# KiCad board Panel.kicad_pcb (continued)
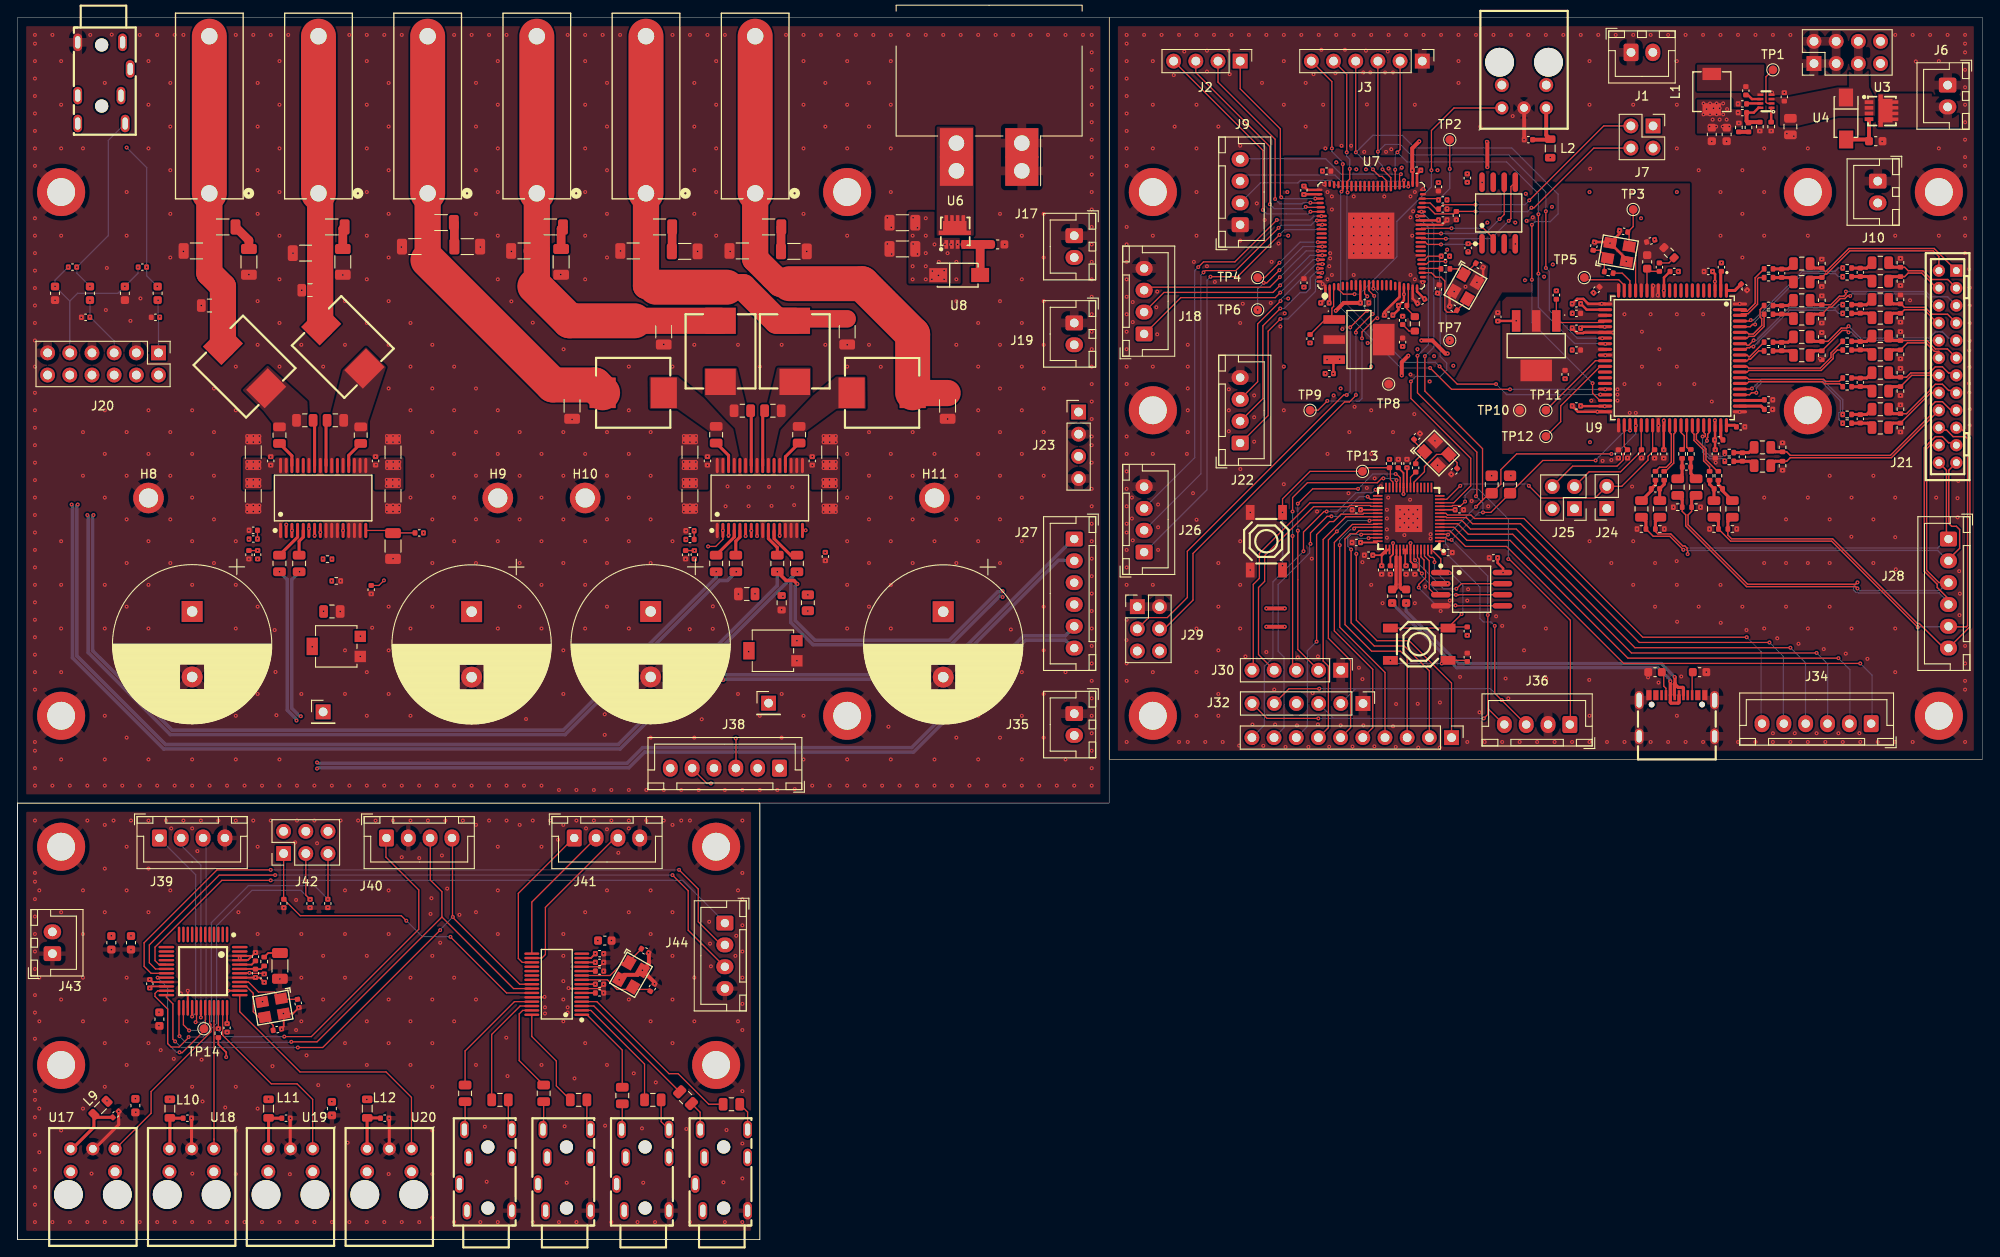
[diagram p0: board, top side]
## Placement (name value [footprint] x y rotation side) (continued)
R92  10k  [C_0402_1005Metric]  92.5 78.25 90 top
R93  51k  [R_0402_1005Metric]  35.5 77.95 0 top
R94  51k  [R_0402_1005Metric]  36.5 75.45 0 top
R95  10k  [C_0402_1005Metric]  40.5 74.45 90 top
R96  27  [C_0603_1608Metric]  157.4 73.7 90 top
R97  27  [C_0603_1608Metric]  159 73.7 270 top
R98  5.6k  [R_0603_1608Metric]  87.5 72.95 270 top
R99  DNP  [R_0805_2012Metric]  90.5 72.95 90 top  (not fitted)
R100  10k  [C_0402_1005Metric]  166 69.7 90 top
R101  1k  [C_0402_1005Metric]  166 66.7 270 top
R102  5.1k  [C_0603_1608Metric]  187.5 65 180 top
R103  5.1k  [C_0603_1608Metric]  192.6 65 0 top
R104  10k  [C_0402_1005Metric]  30.5 38.5 270 top
R105  10k  [C_0402_1005Metric]  33.5 38.5 270 top
R106  10k  [C_0402_1005Metric]  35.53 38.5 270 top
R107  680  [R_0402_1005Metric]  28.25 31.85 270 top
R108  10k  [R_0402_1005Metric]  23 23.65 270 top
REF1  FZT792ATA  [SOT-223-4_L6.5-W3.5-P2.30-LS7.0-BR]  153.6 103.1 0 top
REF2  FZT792ATA  [SOT-223-4_L6.5-W3.5-P2.30-LS7.0-BR]  173.9 102.4 270 top
RV1  10k  [Potentiometer_Bourns_3314G_Vertical]  36.5 67.95 270 top
RV2  10k  [Potentiometer_Bourns_3314G_Vertical]  86.5 67.45 270 top
SW1  TS-1187A-B-A-B  [SW-SMD_4P-L5.1-W5.1-P3.70-LS6.5-TL-2]  143 80 270 top
SW2  TS-1187A-B-A-B  [SW-SMD_4P-L5.1-W5.1-P3.70-LS6.5-TL-2]  160.5 68.2 0 top
TP1  TestPoint  [TestPoint_Pad_D1.0mm]  201 134 0 top
TP2  TestPoint  [TestPoint_Pad_D1.0mm]  164 126 0 top
TP3  TestPoint  [TestPoint_Pad_D1.0mm]  185 118 0 top
TP4  TestPoint  [TestPoint_Pad_D1.0mm]  142 110.2 0 top
TP5  TestPoint  [TestPoint_Pad_D1.0mm]  179.4 110.2 270 top
TP6  TestPoint  [TestPoint_Pad_D1.0mm]  142 106.5 0 top
TP7  TestPoint  [TestPoint_Pad_D1.0mm]  164 103 0 top
TP8  TestPoint  [TestPoint_Pad_D1.0mm]  157 98 0 top
TP9  TestPoint  [TestPoint_Pad_D1.0mm]  148 95 0 top
TP10  TestPoint  [TestPoint_Pad_D1.0mm]  172 95 0 top
TP11  TestPoint  [TestPoint_Pad_D1.0mm]  175 95 0 top
TP12  TestPoint  [TestPoint_Pad_D1.0mm]  175 92 0 top
TP13  TestPoint  [TestPoint_Pad_D1.0mm]  154 88 0 top
TP14  TestPoint  [TestPoint_Pad_D1.0mm]  21.35 24.15 180 top
U1  ZPLR135_T8  [CONN-TH_ZPLR135-T8]  172.5 131 0 top
U2  TPS62933  [SOT-583-8_L2.1-W1.2-P0.50-LS1.6-BR]  200.2 130.4 0 top
U3  NVTFWS014P04M8LTAG  [POWERPAK-1212-8_L3.1-W3.1-P0.65-LS3.3-BL-SIS402DN-T1-GE3]  213.49 129.33 270 top
U4  1SMA5927A  [SMA_L4.3-W2.6-LS5.0-RD]  209.37 128.43 270 top
U5  W25Q128JVS  [SOIC-8_L5.3-W5.3-P1.27-LS8.0-BL]  169.6 117.6 90 top
U6  NVTFWS014P04M8LTAG  [POWERPAK-1212-8_L3.1-W3.1-P0.65-LS3.3-BL-SIS402DN-T1-GE3]  107.32 115.49 0 top
U7  ADAU1467WBCPZ300  [LFCSP-88_L12.0-W12.0-P0.50-BL-EP5.3]  155 115 0 top
U8  1SMA5927A  [SMA_L4.3-W2.6-LS5.0-RD]  107.82 110.49 0 top
U9  ADAU1962AWBSTZ  [LQFP-80_L14.0-W14.0-P0.65-LS16.0-BL]  189.5 101 180 top
U10  TPA3126D2DADR  [HTSSOP-32_L11.0-W6.1-P0.65-LS8.1-BL]  35 84.95 0 top
U11  TPA3126D2DADR  [HTSSOP-32_L11.0-W6.1-P0.65-LS8.1-BL]  85 84.95 0 top
U12  RP2040  [LQFN-56_L7.0-W7.0-P0.4-EP]  159.3 82.6 180 top
U13  W25Q128JVS  [SOIC-8_L5.3-W5.3-P1.27-LS8.0-BL]  166.5 74.5 0 top
U14  TYPE-C 16PFS 2JCB1.2-H6.5 IPX8  [USB-C-SMD_TYPE-C16PIN]  190 60 0 top
U15  PCM9211PTR  [TQFP-48_L7.0-W7.0-P0.50-LS9.0-TL]  21.25 30.75 270 top
U16  PCM1865DBTR  [TSSOP-30_L7.8-W4.4-P0.50-LS6.4-BL]  61.75 29.25 90 top
U17  ZPLR135_T8  [CONN-TH_ZPLR135-T8]  8.63 9.03 180 top
U18  ZPLR135_T8  [CONN-TH_ZPLR135-T8]  19.95 9.03 180 top
U19  ZPLR135_T8  [CONN-TH_ZPLR135-T8]  31.26 9.03 180 top
U20  ZPLR135_T8  [CONN-TH_ZPLR135-T8]  42.57 9.03 180 top
Y1  24.576Mhz  [OSC-SMD_4P-L3.2-W2.5-BL]  183.3 113.1 350 top
Y2  24.576Mhz  [OSC-SMD_4P-L3.2-W2.5-BL]  165.8 109.15 240 top
Y3  12Mhz  [OSC-SMD_4P-L3.2-W2.5-BL]  162.5 90.1 315 top
Y4  24.576Mhz  [OSC-SMD_4P-L3.2-W2.5-BL]  70.25 30.32 240 top
Y5  24.576Mhz  [OSC-SMD_4P-L3.2-W2.5-BL]  29.25 26.55 190 top

## Library data of the parts
C1 C2 C8 C114-C117 C187-C190 = -: LCSC Part #: C307331; ki_fp_filters: C_*
C3 = -: LCSC Part #: C106862; ki_fp_filters: C_*
C4 = -: LCSC Part #: C1567; ki_fp_filters: C_*
C5 C33 C34 C42 C43 C53 C54 C67 C68 C73 C74 C79-C81 C85 C90 C98 C105 C120 C123 C124 C131-C134 = -: LCSC Part #: C440198; ki_fp_filters: C_*
C6 C7 C158-C160 C174 C185 C186 = -: LCSC Part #: C59461; ki_fp_filters: C_*
C9-C14 C17 C38 C39 C44 C46 C47 C55-C58 C64-C66 C70 C75 C78 C82 C83 C86 C89 C91 C110-C112 = -: Description: Unpolarized capacitor; LCSC Part #: C15525; ki_fp_filters: C_*
C15 C21 C106-C109 C127-C130 = -: LCSC Part #: C89632; ki_fp_filters: C_*
C16 C18 C35 C61 C103 C122 C161 C171 C173 C176 = -: LCSC Part #: C526980; ki_fp_filters: C_*
C19 C22-C25 C28 C138 = -: LCSC Part #: C5137603; ki_fp_filters: C_*
C20 C26 C27 C29-C31 = -: LCSC Part #: C9194; ki_fp_filters: C_*
C32 = -: Description: Unpolarized capacitor; LCSC: C519471; ki_fp_filters: C_*
C36 C69 = -: Description: Unpolarized capacitor; LCSC: C610180; ki_fp_filters: C_*
C37 C45 C97 C104 = -: Description: Unpolarized capacitor, small symbol; LCSC: C188346; ki_fp_filters: C_*
C40 C41 C62 C63 C76 C77 C84 C94 C113 C121 C125 C126 = -: Description: Unpolarized capacitor; LCSC: C525230; ki_fp_filters: C_*
C48 C59 C142-C147 C152 C154 = -: LCSC Part #: C28323; ki_fp_filters: C_*
C49-C52 = -: Description: Unpolarized capacitor; LCSC: C2760543; ki_fp_filters: C_*
C60 = -: Description: Unpolarized capacitor; LCSC: C412459; ki_fp_filters: C_*
C71 C72 C87 C88 = -: LCSC Part #: C2835168; ki_fp_filters: C_*
C92 C93 C95 C96 C99-C102 = -: LCSC Part #: C5378; ki_fp_filters: C_*
C118 C119 C135-C137 C139-C141 C148-C151 C162-C164 C166 C168-C170 C172 C175 = -: LCSC Part #: C15525; ki_fp_filters: C_*
C153 C155-C157 = -: LCSC Part #: C443034; ki_fp_filters: CP_*
C165 = -: LCSC Part #: C77084; ki_fp_filters: C_*
C167 = -: LCSC Part #: C1518204; ki_fp_filters: C_*
C177-C184 = -: LCSC Part #: C15850; ki_fp_filters: C_*
H1-H19 = -: Description: Mounting Hole with connection; ki_fp_filters: MountingHole*Pad*
J1 J6 J10 J17 J19 J35 J43 = -: LCSC: C158012; JLCPCB Position Offset: 0,-0.5; LCSC Part #: C158012; ki_fp_filters: Connector*:*_1x??_*
J2 = -: Description: Generic connector, single row, 01x04, script generated; ki_fp_filters: Connector*:*_1x??_*
J3 J32 = -: Description: Generic connector, single row, 01x06, script generated; ki_fp_filters: Connector*:*_1x??_*
J4 = -: LCSC Part #: -; ki_fp_filters: Connector*:*_2x??_*
J5 J46 J48 = -: Datasheet: https://datasheet.lcsc.com/lcsc/2105241717_G-Switch-ST-0322D00-071-1A2H_C2829970.pdf; LCSC Part #: C2829970; JLCPCB Position Offset: 1.5,-0.1; ki_fp_filters: CONN7_0-071-1A2H_GSW
J7 J25 = -: Description: Generic connector, double row, 02x02, counter clockwise pin numbering scheme (similar to DIP package numbering), script generated (kicad-library-utils/schlib/autogen/connector/); ki_fp_filters: Connector*:*_2x??_*
J8 J11-J16 J31 J33 J37 = -: LCSC Part #: -; ki_fp_filters: Connector*:*_1x??_*
J9 = -: Description: Generic connector, single row, 01x04, script generated; LCSC: C157999; JLCPCB Position Offset: 0,-0.5; ki_fp_filters: Connector*:*_1x??_*
J18 J22 J26 J36 J39-J41 J44 = -: Datasheet: https://atta.szlcsc.com/upload/public/pdf/source/20180319/545684143CA87773821238F54F948951.pdf; LCSC: C157999; JLCPCB Position Offset: 0,-0.5; ki_fp_filters: Connector*:*_1x??_*
J20 = -: Description: Generic connector, double row, 02x06, odd/even pin numbering scheme (row 1 odd numbers, row 2 even numbers), script generated (kicad-library-utils/schlib/autogen/connector/); ki_fp_filters: Connector*:*_2x??_*
J21 = -: Description: Generic connector, single row, 01x24, script generated; LCSC: C378937; ki_fp_filters: Connector*:*_1x??_*
J23 = -: Description: Generic connector, single row, 01x04, script generated (kicad-library-utils/schlib/autogen/connector/); ki_fp_filters: Connector*:*_1x??_*
J24 = -: Description: Generic connector, single row, 01x02, script generated; ki_fp_filters: Connector*:*_1x??_*
J27 J28 J34 J38 = -: Description: Generic connector, single row, 01x06, script generated; LCSC: C157986; JLCPCB Position Offset: 0,-0.5; ki_fp_filters: Connector*:*_1x??_*
J29 J42 = -: Description: Generic connector, double row, 02x03, odd/even pin numbering scheme (row 1 odd numbers, row 2 even numbers), script generated (kicad-library-utils/schlib/autogen/connector/); ki_fp_filters: Connector*:*_2x??_*
J30 = -: Description: Generic connector, single row, 01x05, script generated; ki_fp_filters: Connector*:*_1x??_*
J45 J47 = -: LCSC Part #: C2829970; JLCPCB Position Offset: 1.5,-0.1; ki_fp_filters: CONN7_0-071-1A2H_GSW
L1 = -: LCSC Part #: C167206; ki_fp_filters: Choke_* *Coil* Inductor_* L_*
L2 L9-L12 = -: Description: Inductor; LCSC: C383408; ki_fp_filters: Choke_* *Coil* Inductor_* L_*
L3-L8 = -: LCSC Part #: C2962885; ki_fp_filters: Choke_* *Coil* Inductor_* L_*
R1 R6-R8 R16 R18 R21 R22 R38 R39 R62-R64 R68 R85-R87 R89 R91 R92 R95 R100 R104-R106 R108 = -: LCSC Part #: C25744; ki_fp_filters: R_*
R2 = -: LCSC Part #: C413097; ki_fp_filters: R_*
R3 = -: LCSC Part #: C2961363; ki_fp_filters: R_*
R4 = -: LCSC Part #: C445599; ki_fp_filters: R_*
R5 R15 = -: Description: Resistor; LCSC: C25803; ki_fp_filters: R_*
R9-R14 = -: LCSC Part #: C2930397; ki_fp_filters: R_*
R17 = -: Description: Resistor; LCSC: C3013543; ki_fp_filters: R_*
R19 R20 R29 R30 R32 R33 R40 R41 R43 R44 R50-R52 R55 R56 R59 R60 R69 R77-R82 = -: Description: Resistor; LCSC: C854344; ki_fp_filters: R_*
R23 R25 R27 R28 R34-R37 R46-R49 R53 R54 R57 R58 R61 R65-R67 R71-R74 = -: Description: Resistor; LCSC: C2079916; ki_fp_filters: R_*
R24 R26 = -: Description: Resistor; LCSC: C2902635; ki_fp_filters: R_*
R31 R45 R70 R101 = -: LCSC Part #: C11702; ki_fp_filters: R_*
R42 = -: Description: Resistor; LCSC Part #: C4275; LCSC: C2692818; ki_fp_filters: R_*
R75 R76 = -: Description: Resistor; LCSC: C17520; ki_fp_filters: R_*
R83 R84 R88 R90 = -: LCSC Part #: C431791; ki_fp_filters: R_*
R93 R94 = -: LCSC Part #: C25794; ki_fp_filters: R_*
R96 R97 = -: LCSC Part #: C2828673; ki_fp_filters: R_*
R98 = -: LCSC Part #: C23189; ki_fp_filters: R_*
R99 = -: LCSC Part #: -; ki_fp_filters: R_*
R102 R103 = -: LCSC Part #: C2989458; ki_fp_filters: R_*
R107 = -: LCSC Part #: C2684537; ki_fp_filters: R_*
REF1 REF2 = -: Datasheet: https://item.szlcsc.com/84517.html; LCSC: C115948
RV1 RV2 = -: LCSC Part #: C780220; JLCPCB Rotation Offset: 180; ki_fp_filters: Potentiometer*
SW1 SW2 = -: Datasheet: https://lcsc.com/product-detail/Tactile-Switches_XKB-Enterprise-TS-1187-B-A-A_C318884.html; LCSC Part #: C318884
TP1-TP14 = -: Description: test point; ki_fp_filters: Pin* Test*
U1 U17-U20 = -: Datasheet: https://item.szlcsc.com/265251.html; LCSC: C277778; JLCPCB Position Offset: 0,-3
U2 = -: Datasheet: https://www.ti.com/lit/ds/symlink/tps62933.pdf; LCSC Part #: C6290372; ki_fp_filters: SOT?583*
U3 U6 = -: Datasheet: https://atta.szlcsc.com/upload/public/pdf/source/20130809/1457706634054.pdf; LCSC: C900554
U4 U8 = -: Datasheet: https://item.szlcsc.com/543768.html; LCSC: C19077489
U5 U13 = -: Datasheet: http://www.winbond.com/resource-files/w25q128jv_dtr%20revc%2003272018%20plus.pdf; LCSC Part #: C97521; ki_fp_filters: SOIC*5.23x5.23mm*P1.27mm*
U7 = -: Datasheet: https://cn.bing.com/search?q=datasheet： ADAU1463WBCPZ300; LCSC: C654415
U9 = -: Datasheet: https://item.szlcsc.com/203238.html; LCSC: C654426; JLCPCB Rotation Offset: 90
U10 U11 = -: LCSC Part #: C544472; JLCPCB Rotation Offset: 90; ki_fp_filters: DAD0032A_N_TEX DAD0032A_M DAD0032A_L
U12 = -: Datasheet: https://datasheets.raspberrypi.com/rp2040/rp2040-datasheet.pdf; LCSC Part #: C2040; ki_fp_filters: QFN*1EP*7x7mm?P0.4mm*
U14 = -: Datasheet: https://lcsc.com/product-detail/USB-Connectors_SHOU-HAN-TYPE-C16PIN_C393939.html; LCSC Part: C393939; LCSC Part #: C393939
U15 = -: LCSC Part #: C181660; JLCPCB Rotation Offset: 90; ki_fp_filters: PT48 PT48-M PT48-L
U16 = -: LCSC Part #: C181312; JLCPCB Rotation Offset: 90; ki_fp_filters: DBT0030A_N DBT0030A_M DBT0030A_L
Y1 Y2 Y4 Y5 = -: LCSC Part #: C2901683; ki_fp_filters: Crystal*
Y3 = -: LCSC Part #: C9002; ki_fp_filters: Crystal*

## Footprints (pads in the part's own frame, mm; a bottom-side part is the same pattern mirrored in y, then rotated)
AUDIO-TH_ST-0322D00-071-1A2H
  round 1.5 hole 1.5: (-4.35,-0.26) (2.65,-0.26)
  oval 2x1 hole 1.4x0.6: 1(-4.65,-3) 2(-4.65,2.13) 3(4.65,-3) 4(4.65,2.43) 5(1.45,1.95) 6(1.45,-3) 7(-1.6,3)
C_0402_1005Metric
  rrect 0.56x0.62 smd: 1(-0.48,0) 2(0.48,0)
C_0603_1608Metric
  rrect 0.9x0.95 smd: 1(-0.775,0) 2(0.775,0)
C_0805_2012Metric
  rrect 1x1.45 smd: 1(-0.95,0) 2(0.95,0)
C_1206_3216Metric
  rrect 1.15x1.8 smd: 1(-1.475,0) 2(1.475,0)
CONN-TH_24P-P2.00_B24B-PHDSS
  rect 1.4x1.4 hole 0.8: 1(11,-1)
  round 1.4 hole 0.8: 2(11,1) 3(9,-1) 4(9,1) 5(7,-1) 6(7,1) 7(5,-1) 8(5,1) 9(3,-1) 10(3,1) 11(1,-1) 12(1,1) 13(-1,-1) 14(-1,1) 15(-3,-1) 16(-3,1) 17(-5,-1) 18(-5,1) 19(-7,-1) 20(-7,1) 21(-9,-1) 22(-9,1) 23(-11,-1) 24(-11,1)
CONN-TH_ZPLR135-T8
  round 3.3 hole 3.3 unplated: (-2.8,3.87) (2.8,3.87)
  round 1.5 hole 0.9: 1(-2.54,-1.37) 2(0,-1.37) 3(2.54,-1.37)
  round 1.6 hole 1: 4(2.54,1.26) 5(-2.54,1.26)
CONN_973582100_HRS
  round 2.388 hole 1.88: 1(0,0) 1(0,-18)
CP_Radial_D18.0mm_P7.50mm
  rect 2.4x2.4 hole 1.2: 1(0,0)
  round 2.4 hole 1.2: 2(7.5,0)
HTSSOP-32_L11.0-W6.1-P0.65-LS8.1-BL
  oval 0.34x1.75 smd: 1(-4.88,-3.72) 2(-4.23,-3.72) 3(-3.58,-3.72) 4(-2.93,-3.72) 5(-2.28,-3.72) 6(-1.63,-3.72) 7(-0.98,-3.72) 8(-0.32,-3.72) 9(0.33,-3.72) 10(0.98,-3.72) 11(1.63,-3.72) 12(2.28,-3.72) 13(2.93,-3.72) 14(3.58,-3.72) 15(4.23,-3.72) 16(4.88,-3.72) 17(4.88,3.72) 18(4.23,3.72) 19(3.58,3.72) 20(2.93,3.72) 21(2.28,3.72) 22(1.63,3.72) 23(0.98,3.72) 24(0.33,3.72) 25(-0.32,3.72) 26(-0.98,3.72) 27(-1.63,3.72) 28(-2.28,3.72) 29(-2.93,3.72) 30(-3.58,3.72) 31(-4.23,3.72) 32(-4.88,3.72)
IND-SMD_L4.4-W4.2
  rect 1.4x2.12 smd: 1(2.028,0) 2(-2.028,0)
IND-SMD_L8.5-W8.0_PCC-M0854M
  rect 3x3.5 smd: 1(-3.5,0) 2(3.5,0)
JST_XH_B2B-XH-A_1x02_P2.50mm_Vertical
  rrect 1.7x2 hole 1: 1(1.25,0)
  oval 1.7x2 hole 1: 2(-1.25,0)
JST_XH_B4B-XH-A_1x04_P2.50mm_Vertical
  rrect 1.7x1.95 hole 0.95: 1(3.75,0)
  oval 1.7x1.95 hole 0.95: 2(1.25,0) 3(-1.25,0) 4(-3.75,0)
JST_XH_B6B-XH-A_1x06_P2.50mm_Vertical
  rrect 1.7x1.95 hole 0.95: 1(6.25,0)
  oval 1.7x1.95 hole 0.95: 2(3.75,0) 3(1.25,0) 4(-1.25,0) 5(-3.75,0) 6(-6.25,0)
L_0805_2012Metric
  rrect 0.875x1.2 smd: 1(-1.062,0) 2(1.062,0)
LFCSP-88_L12.0-W12.0-P0.50-BL-EP5.3
  oval 0.28x0.7 smd: 1(-5.25,-5.923) 2(-4.75,-5.923) 21(4.75,-5.923) 22(5.25,-5.923) 45(5.25,5.923) 46(4.75,5.923) 65(-4.75,5.923) 66(-5.25,5.923)
  oval 0.28x0.85 smd: 3(-4.25,-5.848) 4(-3.75,-5.848) 19(3.75,-5.848) 20(4.25,-5.848) 47(4.25,5.848) 48(3.75,5.848) 63(-3.75,5.848) 64(-4.25,5.848)
  oval 0.28x1 smd: 5(-3.25,-5.773) 6(-2.75,-5.773) 17(2.75,-5.773) 18(3.25,-5.773) 49(3.25,5.773) 50(2.75,5.773) 61(-2.75,5.773) 62(-3.25,5.773)
  oval 0.28x1.2 smd: 7(-2.25,-5.673) 8(-1.75,-5.673) 9(-1.25,-5.673) 10(-0.75,-5.673) 11(-0.25,-5.673) 12(0.25,-5.673) 13(0.75,-5.673) 14(1.25,-5.673) 15(1.75,-5.673) 16(2.25,-5.673) 51(2.25,5.673) 52(1.75,5.673) 53(1.25,5.673) 54(0.75,5.673) 55(0.25,5.673) 56(-0.25,5.673) 57(-0.75,5.673) 58(-1.25,5.673) 59(-1.75,5.673) 60(-2.25,5.673)
  oval 0.7x0.28 smd: 23(5.923,-5.25) 24(5.923,-4.75) 43(5.923,4.75) 44(5.923,5.25) 67(-5.923,5.25) 68(-5.923,4.75) 87(-5.923,-4.75) 88(-5.923,-5.25)
  oval 0.85x0.28 smd: 25(5.848,-4.25) 26(5.848,-3.75) 41(5.848,3.75) 42(5.848,4.25) 69(-5.848,4.25) 70(-5.848,3.75) 85(-5.848,-3.75) 86(-5.848,-4.25)
  oval 1x0.28 smd: 27(5.773,-3.25) 28(5.773,-2.75) 39(5.773,2.75) 40(5.773,3.25) 71(-5.773,3.25) 72(-5.773,2.75) 83(-5.773,-2.75) 84(-5.773,-3.25)
  oval 1.2x0.28 smd: 29(5.673,-2.25) 30(5.673,-1.75) 31(5.673,-1.25) 32(5.673,-0.75) 33(5.673,-0.25) 34(5.673,0.25) 35(5.673,0.75) 36(5.673,1.25) 37(5.673,1.75) 38(5.673,2.25) 73(-5.673,2.25) 74(-5.673,1.75) 75(-5.673,1.25) 76(-5.673,0.75) 77(-5.673,0.25) 78(-5.673,-0.25) 79(-5.673,-0.75) 80(-5.673,-1.25) 81(-5.673,-1.75) 82(-5.673,-2.25)
  rect 5.3x5.3 smd: 89(0,0)
LQFN-56_L7.0-W7.0-P0.4-EP
  rect 1.1x0.2 smd: 1(-3.55,2.6) 2(-3.55,2.2) 3(-3.55,1.8) 4(-3.55,1.4) 5(-3.55,1) 6(-3.55,0.6) 7(-3.55,0.2) 8(-3.55,-0.2) 9(-3.55,-0.6) 10(-3.55,-1) 11(-3.55,-1.4) 12(-3.55,-1.8) 13(-3.55,-2.2) 14(-3.55,-2.6) 29(3.55,-2.6) 30(3.55,-2.2) 31(3.55,-1.8) 32(3.55,-1.4) 33(3.55,-1) 34(3.55,-0.6) 35(3.55,-0.2) 36(3.55,0.2) 37(3.55,0.6) 38(3.55,1) 39(3.55,1.4) 40(3.55,1.8) 41(3.55,2.2) 42(3.55,2.6)
  rect 0.2x1.1 smd: 15(-2.6,-3.55) 16(-2.2,-3.55) 17(-1.8,-3.55) 18(-1.4,-3.55) 19(-1,-3.55) 20(-0.6,-3.55) 21(-0.2,-3.55) 22(0.2,-3.55) 23(0.6,-3.55) 24(1,-3.55) 25(1.4,-3.55) 26(1.8,-3.55) 27(2.2,-3.55) 28(2.6,-3.55) 43(2.6,3.55) 44(2.2,3.55) 45(1.8,3.55) 46(1.4,3.55) 47(1,3.55) 48(0.6,3.55) 49(0.2,3.55) 50(-0.2,3.55) 51(-0.6,3.55) 52(-1,3.55) 53(-1.4,3.55) 54(-1.8,3.55) 55(-2.2,3.55) 56(-2.6,3.55)
  rect 3.1x3.1 smd: 57(0,0)
LQFP-80_L14.0-W14.0-P0.65-LS16.0-BL
  oval 0.364x1.642 smd: 1(-6.175,-7.721) 2(-5.525,-7.721) 3(-4.875,-7.721) 4(-4.225,-7.721) 5(-3.575,-7.721) 6(-2.925,-7.721) 7(-2.275,-7.721) 8(-1.625,-7.721) 9(-0.975,-7.721) 10(-0.325,-7.721) 11(0.325,-7.721) 12(0.975,-7.721) 13(1.625,-7.721) 14(2.275,-7.721) 15(2.925,-7.721) 16(3.575,-7.721) 17(4.225,-7.721) 18(4.875,-7.721) 19(5.525,-7.721) 20(6.175,-7.721) 41(6.175,7.721) 42(5.525,7.721) 43(4.875,7.721) 44(4.225,7.721) 45(3.575,7.721) 46(2.925,7.721) 47(2.275,7.721) 48(1.625,7.721) 49(0.975,7.721) 50(0.325,7.721) 51(-0.325,7.721) 52(-0.975,7.721) 53(-1.625,7.721) 54(-2.275,7.721) 55(-2.925,7.721) 56(-3.575,7.721) 57(-4.225,7.721) 58(-4.875,7.721) 59(-5.525,7.721) 60(-6.175,7.721)
  oval 1.642x0.364 smd: 21(7.721,-6.175) 22(7.721,-5.525) 23(7.721,-4.875) 24(7.721,-4.225) 25(7.721,-3.575) 26(7.721,-2.925) 27(7.721,-2.275) 28(7.721,-1.625) 29(7.721,-0.975) 30(7.721,-0.325) 31(7.721,0.325) 32(7.721,0.975) 33(7.721,1.625) 34(7.721,2.275) 35(7.721,2.925) 36(7.721,3.575) 37(7.721,4.225) 38(7.721,4.875) 39(7.721,5.525) 40(7.721,6.175) 61(-7.721,6.175) 62(-7.721,5.525) 63(-7.721,4.875) 64(-7.721,4.225) 65(-7.721,3.575) 66(-7.721,2.925) 67(-7.721,2.275) 68(-7.721,1.625) 69(-7.721,0.975) 70(-7.721,0.325) 71(-7.721,-0.325) 72(-7.721,-0.975) 73(-7.721,-1.625) 74(-7.721,-2.275) 75(-7.721,-2.925) 76(-7.721,-3.575) 77(-7.721,-4.225) 78(-7.721,-4.875) 79(-7.721,-5.525) 80(-7.721,-6.175)
Molex_Sabre_43160-1102_1x02_P7.49mm_Horizontal
  rect 3.78x3.43 hole 1.78: 1(0,3.18) 1(0,0) 2(7.49,3.18) 2(7.49,0)
MountingHole_2.2mm_M2_ISO7380_Pad
  round 3.5 hole 2.2: 1(0,0)
MountingHole_3.2mm_M3_ISO14580_Pad
  round 5.5 hole 3.2: 1(0,0)
OSC-SMD_4P-L3.2-W2.5-BL
  rect 1.4x1.2 smd: 1(-1.1,-0.88) 2(1.1,-0.88) 3(1.1,0.88) 4(-1.1,0.88)
PinHeader_1x01_P2.54mm_Vertical
  rect 1.7x1.7 hole 1: 1(0,0)
PinHeader_1x04_P2.54mm_Vertical
  rect 1.7x1.7 hole 1: 1(0,0)
  oval 1.7x1.7 hole 1: 2(0,-2.54) 3(0,-5.08) 4(0,-7.62)
PinHeader_1x05_P2.54mm_Vertical
  rect 1.7x1.7 hole 1: 1(0,0)
  oval 1.7x1.7 hole 1: 2(0,-2.54) 3(0,-5.08) 4(0,-7.62) 5(0,-10.16)
PinHeader_1x06_P2.54mm_Vertical
  rect 1.7x1.7 hole 1: 1(0,0)
  oval 1.7x1.7 hole 1: 2(0,-2.54) 3(0,-5.08) 4(0,-7.62) 5(0,-10.16) 6(0,-12.7)
PinHeader_1x10_P2.54mm_Vertical
  rect 1.7x1.7 hole 1: 1(0,0)
  oval 1.7x1.7 hole 1: 2(0,-2.54) 3(0,-5.08) 4(0,-7.62) 5(0,-10.16) 6(0,-12.7) 7(0,-15.24) 8(0,-17.78) 9(0,-20.32) 10(0,-22.86)
PinHeader_2x02_P2.54mm_Vertical
  rect 1.7x1.7 hole 1: 1(0,0)
  oval 1.7x1.7 hole 1: 2(2.54,0) 3(0,-2.54) 4(2.54,-2.54)
PinHeader_2x03_P2.54mm_Vertical
  rect 1.7x1.7 hole 1: 1(0,0)
  oval 1.7x1.7 hole 1: 2(2.54,0) 3(0,-2.54) 4(2.54,-2.54) 5(0,-5.08) 6(2.54,-5.08)
PinHeader_2x04_P2.54mm_Vertical
  rect 1.7x1.7 hole 1: 1(0,0)
  oval 1.7x1.7 hole 1: 2(2.54,0) 3(0,-2.54) 4(2.54,-2.54) 5(0,-5.08) 6(2.54,-5.08) 7(0,-7.62) 8(2.54,-7.62)
PinHeader_2x06_P2.54mm_Vertical
  rect 1.7x1.7 hole 1: 1(0,0)
  oval 1.7x1.7 hole 1: 2(2.54,0) 3(0,-2.54) 4(2.54,-2.54) 5(0,-5.08) 6(2.54,-5.08) 7(0,-7.62) 8(2.54,-7.62) 9(0,-10.16) 10(2.54,-10.16) 11(0,-12.7) 12(2.54,-12.7)
PinSocket_1x02_P2.54mm_Vertical
  rect 1.7x1.7 hole 1: 1(0,0)
  oval 1.7x1.7 hole 1: 2(0,-2.54)
Potentiometer_Bourns_3314G_Vertical
  rect 1.3x1.3 smd: 1(1.15,2.75) 3(-1.15,2.75)
  rect 2x1.3 smd: 2(0,-2.75)
POWERPAK-1212-8_L3.1-W3.1-P0.65-LS3.3-BL-SIS402DN-T1-GE3
  rect 0.43x0.991 smd: 1(-0.975,-1.486) 2(-0.325,-1.486) 3(0.325,-1.486) 4(0.975,-1.486)
  rect 0.406x0.762 smd: 5(0.975,1.486) 6(0.325,1.486) 7(-0.325,1.486) 8(-0.975,1.486)
  rect 0.7x0.5 smd: 8(-1.5,-0.15) 8(1.5,-0.15)
  rect 2.7x1.6 smd: 8(0,0.4)
R_0402_1005Metric
  rrect 0.54x0.64 smd: 1(-0.51,0) 2(0.51,0)
R_0603_1608Metric
  rrect 0.8x0.95 smd: 1(-0.825,0) 2(0.825,0)
R_0805_2012Metric
  rrect 1.025x1.4 smd: 1(-0.912,0) 2(0.912,0)
R_0805_2012Metric_Pad1.20x1.40mm_HandSolder
  rrect 1.2x1.4 smd: 1(-1,0) 2(1,0)
R_1206_3216Metric
  rrect 1.125x1.75 smd: 1(-1.462,0) 2(1.462,0)
SMA_L4.3-W2.6-LS5.0-RD
  rect 2.046x1.62 smd: 1(-2.404,-0.009) 2(2.404,0.009)
SOIC-8_L5.3-W5.3-P1.27-LS8.0-BL
  oval 2.25x0.63 smd: 1(-3.53,1.91) 2(-3.53,0.63) 3(-3.53,-0.63) 4(-3.53,-1.9) 5(3.53,-1.9) 6(3.53,-0.63) 7(3.53,0.63) 8(3.53,1.91)
SOT-223-4_L6.5-W3.5-P2.30-LS7.0-BR
  rect 2.47x0.98 smd: 1(-2.835,2.3) 2(-2.835,0) 3(-2.835,-2.3)
  rect 2.47x3.6 smd: 4(2.835,0)
SOT-583-8_L2.1-W1.2-P0.50-LS1.6-BR
  rect 0.68x0.28 smd: 1(0.64,-0.75) 2(0.64,-0.25) 3(0.64,0.25) 4(0.64,0.75) 5(-0.64,0.75) 6(-0.64,0.25) 7(-0.64,-0.25) 8(-0.64,-0.75)
SW-SMD_4P-L5.1-W5.1-P3.70-LS6.5-TL-2
  rect 1.7x1 smd: 1(-3.3,1.85) 2(3.3,1.85) 3(-3.3,-1.85) 4(3.3,-1.85)
TestPoint_Pad_D1.0mm
  round 1 smd: 1(0,0)
TQFP-48_L7.0-W7.0-P0.50-LS9.0-TL
  oval 1.8x0.28 smd: 1(-4.2,2.75) 2(-4.2,2.25) 3(-4.2,1.75) 4(-4.2,1.25) 5(-4.2,0.75) 6(-4.2,0.25) 7(-4.2,-0.25) 8(-4.2,-0.75) 9(-4.2,-1.25) 10(-4.2,-1.75) 11(-4.2,-2.25) 12(-4.2,-2.75) 25(4.2,-2.75) 26(4.2,-2.25) 27(4.2,-1.75) 28(4.2,-1.25) 29(4.2,-0.75) 30(4.2,-0.25) 31(4.2,0.25) 32(4.2,0.75) 33(4.2,1.25) 34(4.2,1.75) 35(4.2,2.25) 36(4.2,2.75)
  oval 0.28x1.8 smd: 13(-2.75,-4.2) 14(-2.25,-4.2) 15(-1.75,-4.2) 16(-1.25,-4.2) 17(-0.75,-4.2) 18(-0.25,-4.2) 19(0.25,-4.2) 20(0.75,-4.2) 21(1.25,-4.2) 22(1.75,-4.2) 23(2.25,-4.2) 24(2.75,-4.2) 37(2.75,4.2) 38(2.25,4.2) 39(1.75,4.2) 40(1.25,4.2) 41(0.75,4.2) 42(0.25,4.2) 43(-0.25,4.2) 44(-0.75,4.2) 45(-1.25,4.2) 46(-1.75,4.2) 47(-2.25,4.2) 48(-2.75,4.2)
TSSOP-30_L7.8-W4.4-P0.50-LS6.4-BL
  oval 0.28x1.72 smd: 1(-3.5,-2.86) 2(-3,-2.86) 3(-2.5,-2.86) 4(-2,-2.86) 5(-1.5,-2.86) 6(-1,-2.86) 7(-0.5,-2.86) 8(0,-2.86) 9(0.5,-2.86) 10(1,-2.86) 11(1.5,-2.86) 12(2,-2.86) 13(2.5,-2.86) 14(3,-2.86) 15(3.5,-2.86) 16(3.5,2.86) 17(3,2.86) 18(2.5,2.86) 19(2,2.86) 20(1.5,2.86) 21(1,2.86) 22(0.5,2.86) 23(0,2.86) 24(-0.5,2.86) 25(-1,2.86) 26(-1.5,2.86) 27(-2,2.86) 28(-2.5,2.86) 29(-3,2.86) 30(-3.5,2.86)
USB-C-SMD_TYPE-C16PIN
  round 0.65 hole 0.65: (-2.89,1.29) (2.89,1.29)
  oval 1x2.1 hole 0.6x1.7: 1(-4.32,1.79) 2(4.32,1.79)
  oval 1x1.8 hole 0.6x1.4: 3(-4.32,-2.36) 4(4.32,-2.36)
  rect 0.6x1.15 smd: A1B12(-3.2,2.36) A4B9(-2.4,2.36) B1A12(3.2,2.36) B4A9(2.4,2.36)
  rect 0.3x1.15 smd: A5(-1.25,2.36) A6(-0.25,2.36) A7(0.25,2.36) A8(-1.75,2.36) B5(1.75,2.36) B6(0.75,2.36) B7(-0.75,2.36) B8(1.25,2.36)

## Nets
+1V2: C10.2 C12.2 C44.2 C46.2 C75.2 REF1.2 REF1.4 TP8.1 U7.24 U7.43 U7.65 U7.87
+2V5: C17.2 C32.1 C47.2 C64.2 C78.2 C83.2 C110.2 R17.1 REF2.2 REF2.4 TP10.1 U9.16 U9.20 U9.23 U9.29 U9.41
+3V3: C4.1 C6.1 C7.1 C9.2 C11.2 C13.2 C14.2 C37.2 C38.2 C39.2 C55.2 C56.2 C57.2 C58.2 C60.1 C65.2 C66.2 C69.2 C70.2 C82.2 C89.2 C104.2 C111.2 C112.2 C119.2 C135.2 C136.2 C137.2 C139.2 C140.2 C141.2 C148.2 C150.2 C158.1 C159.1 C160.1 C162.2 C164.2 C168.2 C169.2 C170.2 C174.1 C175.2 C185.1 C186.1 J1.2 J4.7 J4.8 J7.1 J7.2 J10.2 J24.1 J25.1 J25.2 J29.5 J29.6 J42.2 J42.4 J42.6 J43.2 L1.2 L2.2 L9.2 L10.2 L11.2 L12.2 R3.1 R6.1 R16.1 R18.1 R31.2 R45.1 R68.2 R75.1 R76.1 R100.1 R108.2 REF1.3 REF2.3 U5.8 U7.2 U7.9 U7.19 U7.22 U7.37 U7.46 U7.68 U9.3 U9.12 U9.22 U9.25 U9.39 U9.49 U9.58 U12.1 U12.10 U12.22 U12.33 U12.42 U12.43 U12.44 U12.48 U12.49 U13.8 U15.22 U15.36 U15.42 U16.8 U16.13 U16.14
+24V: C2.1 C5.1 C15.2 C21.2 C106.1 C107.1 C108.1 C109.1 C114.1 C115.1 C116.1 C117.1 C127.1 C128.1 C129.1 C130.1 C153.1 C155.1 C156.1 C157.1 J4.5 J4.6 J17.2 J19.2 J23.1 J23.3 J35.2 R86.2 R87.2 R89.2 R91.2 U2.3 U3.1 U3.2 U3.3 U4.1 U6.1 U6.2 U6.3 U8.1 U10.17 U10.18 U10.19 U10.31 U10.32 U11.17 U11.18 U11.19 U11.31 U11.32
/PCM1865/VINL1: C180.2 U16.3
/PCM1865/VINL2: C179.2 U16.1
/PCM1865/VINL3: C178.2 U16.29
/PCM1865/VINL4: C177.2 U16.27
/PCM1865/VINR1: C184.2 U16.4
/PCM1865/VINR2: C183.2 U16.2
/PCM1865/VINR3: C182.2 U16.30
/PCM1865/VINR4: C181.2 U16.28
GND: C2.2 C3.2 C5.2 C6.2 C7.2 C8.1 C9.1 C10.1 C11.1 C12.1 C13.1 C14.1 C15.1 C16.1 C17.1 C18.2 C19.2 C20.2 C21.1 C22.2 C23.1 C24.2 C25.1 C26.2 C27.1 C28.1 C29.2 C30.1 C31.1 C35.2 C38.1 C39.1 C44.1 C45.1 C46.1 C47.1 C48.1 C49.1 C51.1 C55.1 C56.1 C57.1 C58.1 C59.2 C61.1 C64.1 C65.1 C66.1 C70.1 C71.1 C72.2 C75.1 C78.1 C82.1 C83.1 C86.2 C87.2 C88.1 C89.1 C91.2 C97.1 C103.1 C106.2 C107.2 C108.2 C109.2 C110.1 C111.1 C112.1 C114.2 C115.2 C116.2 C117.2 C118.1 C119.1 C122.1 C127.2 C128.2 C129.2 C130.2 C135.1 C136.1 C137.1 C138.2 C139.1 C140.1 C141.1 C148.1 C149.1 C150.1 C151.1 C152.1 C153.2 C154.1 C155.2 C156.2 C157.2 C158.2 C159.2 C160.2 C161.2 C162.1 C163.2 C164.1 C165.1 C166.2 C167.2 C168.1 C169.1 C170.1 C171.1 C172.2 C173.2 C174.2 C175.1 C176.1 C185.2 C186.2 C187.1 C188.1 C189.1 C190.1 H1.1 H2.1 H3.1 H4.1 H5.1 H6.1 H7.1 H8.1 H9.1 H10.1 H11.1 H12.1 H13.1 H14.1 H15.1 H16.1 H17.1 H18.1 H19.1 J1.1 J3.1 J4.1 J4.2 J4.3 J4.4 J5.1 J6.1 J8.1 J9.1 J10.1 J17.1 J18.4 J19.1 J20.3 J20.7 J20.11 J22.4 J23.2 J23.4 J26.4 J29.1 J29.2 J30.1 J32.1 J32.4 J35.1 J36.2 J39.4 J40.2 J41.4 J43.1 J44.4 J45.1 J46.1 J47.1 J48.1 R1.2 R2.2 R5.2 R7.1 R8.1 R15.2 R19.2 R20.2 R29.2 R30.2 R32.2 R33.2 R38.2 R39.2 R40.2 R41.2 R43.2 R44.2 R50.2 R51.2 R52.2 R55.2 R56.2 R59.2 R60.2 R62.1 R63.1 R64.2 R69.2 R77.2 R78.2 R79.2 R80.2 R81.2 R82.2 R83.1 R84.1 R88.1 R90.1 R92.1 R94.2 R95.1 R98.2 R101.1 R102.2 R103.2 R104.2 R105.2 R106.2 RV1.1 RV2.1 SW1.3 SW1.4 U1.2 U2.4 U5.4 U7.1 U7.8 U7.18 U7.21 U7.23 U7.29 U7.36 U7.44 U7.45 U7.66 U7.67 U7.88 U7.89 U9.13 U9.14 U9.21 U9.26 U9.30 U9.40 U9.48 U9.61 U9.80 U10.1 U10.9 U10.10 U10.11 U10.13 U10.14 U10.15 U10.22 U10.25 U10.28 U11.1 U11.9 U11.13 U11.14 U11.15 U11.22 U11.25 U11.28 U12.19 U12.57 U13.4 U14.1 U14.2 U14.3 U14.4 U14.A1B12 U14.B1A12 U15.21 U15.27 U15.38 U15.41 U15.45 U15.46 U16.7 U16.12 U16.26 U17.2 U18.2 U19.2 U20.2 Y1.2 Y1.4 Y2.2 Y2.4 Y3.2 Y3.4 Y4.2 Y4.4 Y5.2 Y5.4
/ADAU1467/ADDITIONAL_BLCK: J26.3 U7.73
/ADAU1467/ADDITIONAL_LRCLK: J26.2 U7.74
/ADAU1467/ADDITIONAL_SDATA: J26.1 U7.75
/ADAU1467/AUXADC0: J29.3 U7.10
/ADAU1467/AUXADC1: J29.4 U7.11
/ADAU1467/DAC_BLCK: J3.3 U7.51 U9.27
/ADAU1467/DAC_DATA0: J3.4 U7.52 U9.38
/ADAU1467/DAC_DATA1: J3.5 U7.61 U9.37
/ADAU1467/DAC_DATA2: J3.6 U7.62 U9.36
/ADAU1467/DAC_LRCLK: J3.2 U7.50 U9.28
/ADAU1467/PCM1865_BLCK: J22.3 U7.84
/ADAU1467/PCM1865_LRCLK: J22.2 U7.85
/ADAU1467/PCM1865_SDATA: J22.1 U7.86
/ADAU1467/PCM9211_BLCK: J18.3 U7.81
/ADAU1467/PCM9211_LRCLK: J18.2 U7.82
/ADAU1467/PCM9211_SDATA: J18.1 U7.83
/ADAU1467/SPDIFIN: U1.1 U7.4
/ADAU1467/SPI_MISO: U5.2 U7.35
/ADAU1467/SPI_MOSI: U5.5 U7.33
/ADAU1467/SPI_SCLK: U5.6 U7.34
/ADAU1467/SPI_SS: R16.2 U5.1 U7.32
/ADAU1467_ADDR0: J7.3 R7.2 U7.41
/ADAU1467_ADDR1: J7.4 R8.2 U7.40
/ADAU1467_RESET: R18.2 U7.28 U12.12
/ADAU1962A/CM: C91.1 U9.62
/ADAU1962A/DAC1N: C132.1 J21.23 J28.2 R80.1
/ADAU1962A/DAC1P: C131.2 J21.24 J28.1 R79.1
/ADAU1962A/DAC2N: C124.1 J21.21 J28.4 R78.1
/ADAU1962A/DAC2P: C123.2 J21.22 J28.3 R77.1
/ADAU1962A/DAC3N: C134.1 J21.19 J28.6 R82.1
/ADAU1962A/DAC3P: C133.2 J21.20 J28.5 R81.1
/ADAU1962A/DAC_BIAS1: C104.1 U9.59
/ADAU1962A/DAC_BIAS2: C97.2 U9.60
/ADAU1962A/DAC_BIAS3: C45.2 U9.1
/ADAU1962A/DAC_BIAS4: C37.1 U9.2
/ADAU1962A/DAC_Filter1/DACxN: R23.1 U9.77
/ADAU1962A/DAC_Filter1/DACxP: R27.1 U9.76
/ADAU1962A/DAC_Filter1/OUTPUTxN: C33.1 J21.3 R19.1
/ADAU1962A/DAC_Filter1/OUTPUTxP: C42.2 J21.4 R29.1
/ADAU1962A/DAC_Filter2/DACxN: R35.1 U9.75
/ADAU1962A/DAC_Filter2/DACxP: R37.1 U9.74
/ADAU1962A/DAC_Filter2/OUTPUTxN: C54.1 J21.5 R33.1
/ADAU1962A/DAC_Filter2/OUTPUTxP: C68.2 J21.6 R41.1
/ADAU1962A/DAC_Filter3/DACxN: R34.1 U9.73
/ADAU1962A/DAC_Filter3/DACxP: R36.1 U9.72
/ADAU1962A/DAC_Filter3/OUTPUTxN: C53.1 J21.7 R32.1
/ADAU1962A/DAC_Filter3/OUTPUTxP: C67.2 J21.8 R40.1
/ADAU1962A/DAC_Filter4/DACxN: R47.1 U9.71
/ADAU1962A/DAC_Filter4/DACxP: R49.1 U9.70
/ADAU1962A/DAC_Filter4/OUTPUTxN: C74.1 J21.9 R44.1
/ADAU1962A/DAC_Filter4/OUTPUTxP: C80.2 J21.10 R51.1
/ADAU1962A/DAC_Filter5/DACxN: R46.1 U9.69
/ADAU1962A/DAC_Filter5/DACxP: R48.1 U9.68
/ADAU1962A/DAC_Filter5/OUTPUTxN: C73.1 J21.11 R43.1
/ADAU1962A/DAC_Filter5/OUTPUTxP: C79.2 J21.12 R50.1
/ADAU1962A/DAC_Filter6/DACxN: R53.1 U9.67
/ADAU1962A/DAC_Filter6/DACxP: R54.1 U9.66
/ADAU1962A/DAC_Filter6/OUTPUTxN: C81.1 J21.13 R52.1
/ADAU1962A/DAC_Filter6/OUTPUTxP: C85.2 J21.14 R55.1
/ADAU1962A/DAC_Filter7/DACxN: R57.1 U9.65
/ADAU1962A/DAC_Filter7/DACxP: R58.1 U9.64
/ADAU1962A/DAC_Filter7/OUTPUTxN: C90.1 J21.15 R56.1
/ADAU1962A/DAC_Filter7/OUTPUTxP: C98.2 J21.16 R59.1
/ADAU1962A/DAC_Filter8/DACxN: R61.1 U9.57
/ADAU1962A/DAC_Filter8/DACxP: R67.1 U9.56
/ADAU1962A/DAC_Filter8/OUTPUTxN: C105.1 J21.17 R60.1
/ADAU1962A/DAC_Filter8/OUTPUTxP: C120.2 J21.18 R69.1
/ADAU1962A/DAC_Filter9/DACxN: R74.1 U9.55
/ADAU1962A/DAC_Filter9/DACxP: R73.1 U9.54
/ADAU1962A/DAC_Filter10/DACxN: R66.1 U9.53
/ADAU1962A/DAC_Filter10/DACxP: R65.1 U9.52
/ADAU1962A/DAC_Filter11/DACxN: R72.1 U9.51
/ADAU1962A/DAC_Filter11/DACxP: R71.1 U9.50
/ADAU1962A/DAC_Filter/DACxN: R25.1 U9.79
/ADAU1962A/DAC_Filter/DACxP: R28.1 U9.78
/ADAU1962A/DAC_Filter/OUTPUTxN: C34.1 J21.1 R20.1
/ADAU1962A/DAC_Filter/OUTPUTxP: C43.2 J21.2 R30.1
/ADAU1962A/LF: C32.2 C36.2 U9.15
/ADAU1962A/TS_REF: C86.1 U9.63
/ADAU1962A/VDRIVE: R31.1 REF2.1 U9.24
/ADAU1962A/XTALI: C16.2 TP3.1 U9.17 Y1.3
/ADAU1962A/XTALO: R26.1 U9.18
/ADAU1962A_ADDR0: J25.3 R63.2 U9.45
